# KiCad board MiniCamel_V1.00.kicad_pcb (continued)
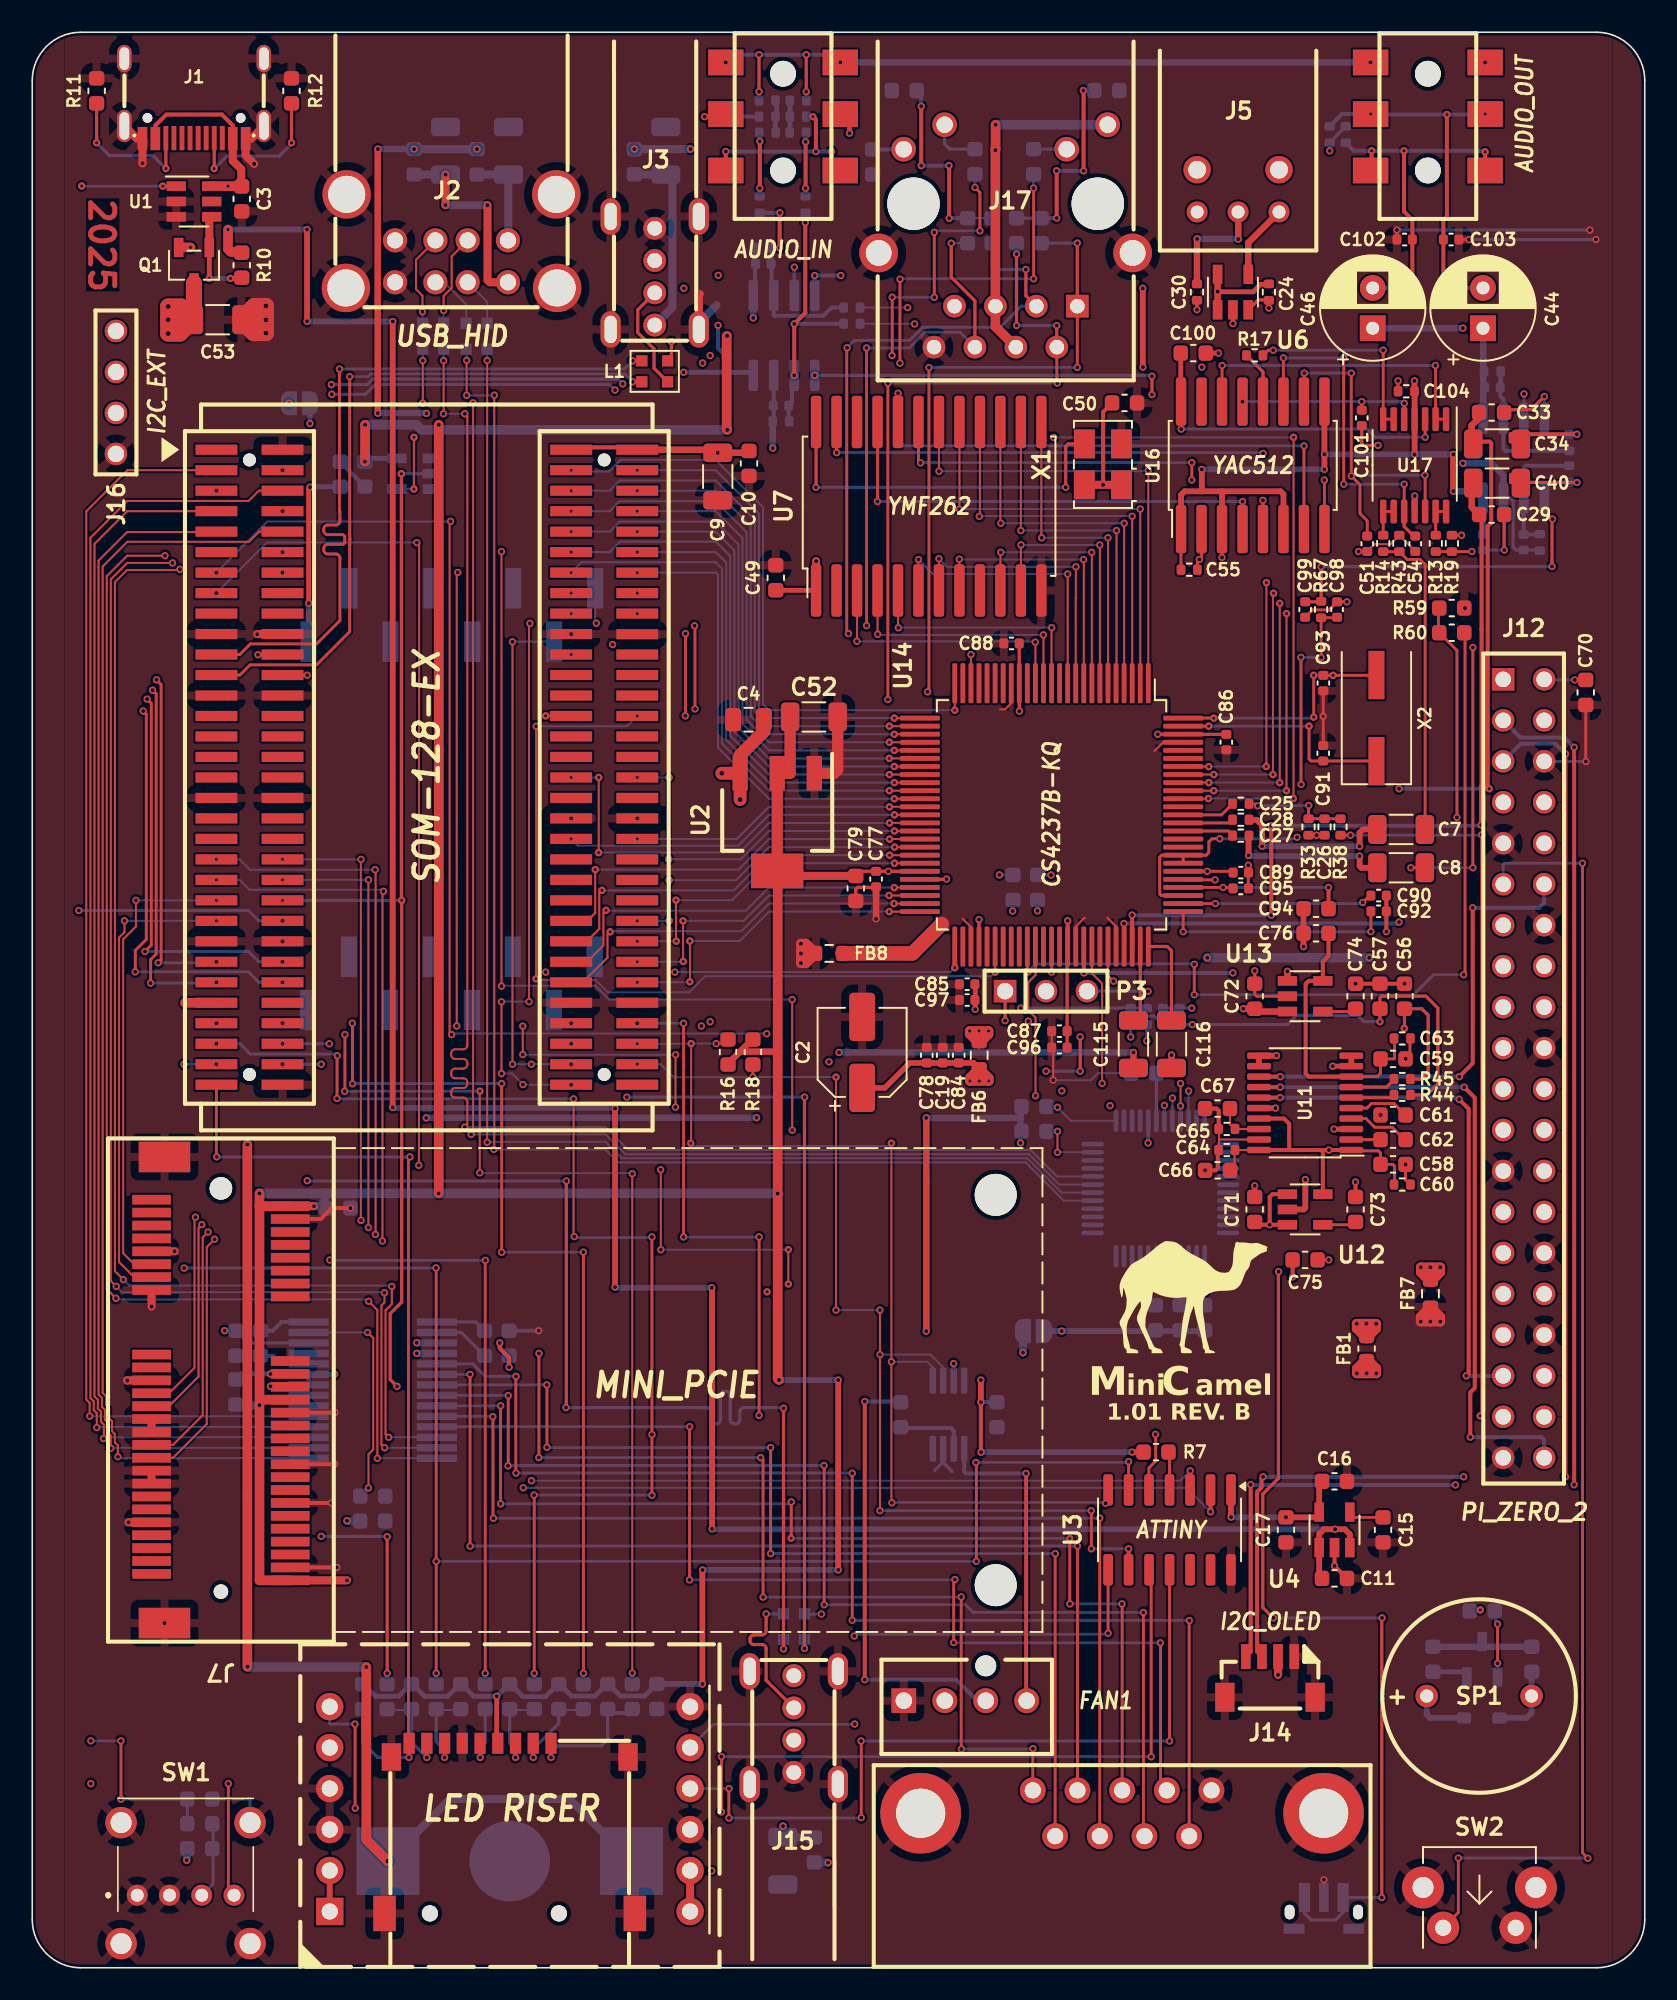
[diagram p0: board, top side]
## Library data of the parts (continued)
U17 = -: LCSC: C96507; ki_fp_filters: SOIC*3.9x8.7mm*P1.27mm* DIP*W7.62mm* TSSOP*4.4x5mm*P0.65mm* SSOP*5.3x6.2mm*P0.65mm* MSOP*3x3mm*P0.5mm*
X1 = -: LCSC: C387230; ki_fp_filters: Oscillator*SMD*SeikoEpson*SG8002LB*5.0x3.2mm*
X2 = -: LCSC: C4944017

## Footprints (pads in the part's own frame, mm; a bottom-side part is the same pattern mirrored in y, then rotated)
BT_MY-1220-03
  rect 3.9x4.2 smd: 1(-7.55,0) 1(7.55,0)
  round 5 smd: 2(0,0)
C_0402_1005Metric
  rrect 0.54x0.64 smd: 1(-0.51,0) 2(0.51,0)
C_0402_1005Metric_no_outline
  rrect 0.56x0.62 smd: 1(-0.48,0) 2(0.48,0)
C_0603_1608Metric
  rrect 0.9x0.95 smd: 1(-0.775,0) 2(0.775,0)
C_0603_1608Metric_no_outline
  rrect 0.9x0.95 smd: 1(-0.775,0) 2(0.775,0)
C_0805_2012Metric
  rrect 1x1.45 smd: 1(-0.95,0) 2(0.95,0)
C_1206_3216Metric
  rrect 1.15x1.8 smd: 1(-1.475,0) 2(1.475,0)
CP_Elec_5x5.4
  rrect 3x1.6 smd: 1(-2.2,0) 2(2.2,0)
CP_Radial_D6.3mm_P2.50mm
  rect 1.6x1.6 hole 0.8: 1(0,0)
  round 1.6 hole 0.8: 2(2.5,0)
D_SOD-323F
  rrect 0.9x0.7 smd: 1(-1.1,0) 2(1.1,0)
F_0603_1608Metric
  rrect 0.9x0.95 smd: 1(-0.775,0) 2(0.775,0)
Fuse_0603_1608Metric_no_outline
  rrect 0.875x0.95 smd: 1(-0.787,0) 2(0.787,0)
J_AUDIO35_C95463
  round 1.6 hole 1.6 unplated: (0,2.5) (0,-3.5)
  rect 2.2x1.6 smd: R(-3.55,0) R(3.55,0) S(-3.55,3.2) S(3.55,3.2) T(-3.55,-3.5) T(3.55,-3.5)
J_CONN_01X04
  round 1.397 hole 1.016: 1(-3.81,0) 2(-1.27,0) 3(1.27,0) 4(3.81,0)
J_CONN_RPI
  rect 1.397x1.397 hole 0.965: 1(-1.27,24.13)
  round 1.397 hole 0.965: 2(1.27,24.13) 3(-1.27,21.59) 4(1.27,21.59) 5(-1.27,19.05) 6(1.27,19.05) 7(-1.27,16.51) 8(1.27,16.51) 9(-1.27,13.97) 10(1.27,13.97) 11(-1.27,11.43) 12(1.27,11.43) 13(-1.27,8.89) 14(1.27,8.89) 15(-1.27,6.35) 16(1.27,6.35) 17(-1.27,3.81) 18(1.27,3.81) 19(-1.27,1.27) 20(1.27,1.27) 21(-1.27,-1.27) 22(1.27,-1.27) 23(-1.27,-3.81) 24(1.27,-3.81) 25(-1.27,-6.35) 26(1.27,-6.35) 27(-1.27,-8.89) 28(1.27,-8.89) 29(-1.27,-11.43) 30(1.27,-11.43) 31(-1.27,-13.97) 32(1.27,-13.97) 33(-1.27,-16.51) 34(1.27,-16.51) 35(-1.27,-19.05) 36(1.27,-19.05) 37(-1.27,-21.59) 38(1.27,-21.59) 39(-1.27,-24.13) 40(1.27,-24.13)
J_JST_BM04B-SRSS-TB
  rect 1.2x1.8 smd: 1(-2.8,0) 1(2.8,0)
  rect 0.6x1.55 smd: 1(-1.5,-2.525) 2(-0.5,-2.525) 3(0.5,-2.525) 4(1.5,-2.525)
J_MINI_PCIE
  round 1.4 hole 1.4 unplated: (0,0)
  round 2.6 hole 2.6 unplated: (0.4,48.05) (24.6,48.05)
  round 0.9 hole 0.9 unplated: (25,0)
  rect 0.6x2.4 smd: 1(0.7,-4.3) 2(1.1,4.3) 3(1.5,-4.3) 4(1.9,4.3) 5(2.3,-4.3) 6(2.7,4.3) 7(3.1,-4.3) 8(3.5,4.3) 9(3.9,-4.3) 10(4.3,4.3) 11(4.7,-4.3) 12(5.1,4.3) 13(5.5,-4.3) 14(5.9,4.3) 15(6.3,-4.3) 16(6.7,4.3) 17(10.3,-4.3) 18(10.7,4.3) 19(11.1,-4.3) 20(11.5,4.3) 21(11.9,-4.3) 22(12.3,4.3) 23(12.7,-4.3) 24(13.1,4.3) 25(13.5,-4.3) 26(13.9,4.3) 27(14.3,-4.3) 28(14.7,4.3) 29(15.1,-4.3) 30(15.5,4.3) 31(15.9,-4.3) 32(16.3,4.3) 33(16.7,-4.3) 34(17.1,4.3) 35(17.5,-4.3) 36(17.9,4.3) 37(18.3,-4.3) 38(18.7,4.3) 39(19.1,-4.3) 40(19.5,4.3) 41(19.9,-4.3) 42(20.3,4.3) 43(20.7,-4.3) 44(21.1,4.3) 45(21.5,-4.3) 46(21.9,4.3) 47(22.3,-4.3) 48(22.7,4.3) 49(23.1,-4.3) 50(23.5,4.3) 51(23.9,-4.3) 52(24.3,4.3)
  rect 1.9x3.2 smd: S1(-1.95,-3.5) S2(26.95,-3.5)
J_MOLEX_47053-1000
  round 1.3 hole 1.3 unplated: (-5.08,-2.16)
  rect 1.53x1.53 hole 1.02: 1(0,0)
  round 1.55 hole 1.02: 2(-2.54,0) 3(-5.08,0) 4(-7.62,0)
J_USB_TYPE-C-31-M-12
  round 0.6 hole 0.6 unplated: (-2.89,-1.07) (2.89,-1.07)
  rect 0.6x1.44 smd: A1/B12(-3.2,0.21) A4/B9(-2.4,0.21) A9/B4(2.4,0.21) A12/B1(3.2,0.21)
  rect 0.3x1.5 smd: A5(-1.25,0.18) A6(-0.25,0.18) A7(0.25,0.18) A8(1.25,0.18) B5(1.75,0.18) B6(0.75,0.18) B7(-0.75,0.18) B8(-1.75,0.18)
  oval 0.9x2 hole 0.6x1.7: S(-4.325,-0.57) S(4.325,-0.57)
  oval 0.9x1.7 hole 0.6x1.4: S(-4.325,-4.75) S(4.325,-4.75)
J_WEMOS_D1_MINI
  rect 1x2.51 smd: 1(8.895,9.79) 2(6.355,13.1) 3(3.815,9.79) 4(1.275,13.1) 5(-1.265,9.79) 6(-3.805,13.1) 7(-6.345,9.79) 8(-8.885,13.1) 9(-8.855,-9.745) 10(-6.315,-13.055) 11(-3.775,-9.745) 12(-1.235,-13.055) 13(1.305,-9.745) 14(3.845,-13.055) 15(6.385,-9.745) 16(8.925,-13.055)
L_EMI_FILTER_MCM2012B900GBE
  rect 0.7x0.7 smd: 1(-0.8,0.65) 2(0.8,0.65) 3(0.8,-0.65) 4(-0.8,-0.65)
MicroSD_TF01A_overhang
  round 1 hole 1 unplated: (-4.95,-3.3) (3.05,-3.3)
  rect 0.7x1.3 smd: 1(2.56,7.25) 2(1.46,7.25) 3(0.36,7.25) 4(-0.74,7.25) 5(-1.84,7.25) 6(-2.94,7.25) 7(-4.04,7.25) 8(-5.14,7.25) 9(-6.24,7.25)
  rect 1.4x2.2 smd: S(-7.76,-3.3) S(7.76,-3.3)
  rect 1.2x1.7 smd: S(-7.34,6.4) S(7.34,6.4)
MiniCamel_Riser
  rect 1.7x1.7 hole 1: 1(-11.175,-9.961)
  oval 1.7x1.7 hole 1: 2(-11.175,-7.421) 3(-11.175,-4.881) 4(-11.175,-2.341) 5(-11.175,0.199) 6(-11.175,2.739) 8(11.175,-7.421) 9(11.175,-4.881) 10(11.175,-2.341) 11(11.175,0.199) 12(11.175,2.739)
  round 1.7 hole 1: 7(11.175,-9.961)
NIC_single_port_TH
  round 3.25 hole 3.25 unplated: (-6.35,0) (5.08,0)
  rect 1.408x1.408 hole 0.9: 1(3.81,-6.35)
  round 1.408 hole 0.9: 2(2.54,-8.89) 3(1.27,-6.35) 4(0,-8.89) 5(-1.27,-6.35) 6(-2.54,-8.89) 7(-3.81,-6.35) 8(-5.08,-8.89)
  round 1.53 hole 1.02: 9(5.69,4.9) 10(3.15,3.38) 11(-4.42,4.9) 12(-6.96,3.38)
  round 2.4 hole 1.6: CASE@1(7.24,-3.05) CASE@2(-8.51,-3.05)
P_CONN_01X03_SQUARE
  rect 1.397x1.397 hole 1.016: 1(-2.54,0)
  round 1.397 hole 1.016: 2(0,0) 3(2.54,0)
P_CONN_SOM-128-EX
  round 0.8 hole 0.8 unplated: (0,-0.635) (0,-38.735) (22,-0.635) (22,-38.735)
  rect 2.6x0.63 smd: A1(-2.05,0) A2(2.05,0) A3(-2.05,-1.27) A4(2.05,-1.27) A5(-2.05,-2.54) A6(2.05,-2.54) A7(-2.05,-3.81) A8(2.05,-3.81) A9(-2.05,-5.08) A10(2.05,-5.08) A11(-2.05,-6.35) A12(2.05,-6.35) A13(-2.05,-7.62) A14(2.05,-7.62) A15(-2.05,-8.89) A16(2.05,-8.89) A17(-2.05,-10.16) A18(2.05,-10.16) A19(-2.05,-11.43) A20(2.05,-11.43) A21(-2.05,-12.7) A22(2.05,-12.7) A23(-2.05,-13.97) A24(2.05,-13.97) A25(-2.05,-15.24) A26(2.05,-15.24) A27(-2.05,-16.51) A28(2.05,-16.51) A29(-2.05,-17.78) A30(2.05,-17.78) A31(-2.05,-19.05) A32(2.05,-19.05) A33(-2.05,-20.32) A34(2.05,-20.32) A35(-2.05,-21.59) A36(2.05,-21.59) A37(-2.05,-22.86) A38(2.05,-22.86) A39(-2.05,-24.13) A40(2.05,-24.13) A41(-2.05,-25.4) A42(2.05,-25.4) A43(-2.05,-26.67) A44(2.05,-26.67) A45(-2.05,-27.94) A46(2.05,-27.94) A47(-2.05,-29.21) A48(2.05,-29.21) A49(-2.05,-30.48) A50(2.05,-30.48) A51(-2.05,-31.75) A52(2.05,-31.75) A53(-2.05,-33.02) A54(2.05,-33.02) A55(-2.05,-34.29) A56(2.05,-34.29) A57(-2.05,-35.56) A58(2.05,-35.56) A59(-2.05,-36.83) A60(2.05,-36.83) A61(-2.05,-38.1) A62(2.05,-38.1) A63(-2.05,-39.37) A64(2.05,-39.37) B1(19.95,0) B2(24.05,0) B3(19.95,-1.27) B4(24.05,-1.27) B5(19.95,-2.54) B6(24.05,-2.54) B7(19.95,-3.81) B8(24.05,-3.81) B9(19.95,-5.08) B10(24.05,-5.08) B11(19.95,-6.35) B12(24.05,-6.35) B13(19.95,-7.62) B14(24.05,-7.62) B15(19.95,-8.89) B16(24.05,-8.89) B17(19.95,-10.16) B18(24.05,-10.16) B19(19.95,-11.43) B20(24.05,-11.44) B21(19.95,-12.7) B22(24.05,-12.7) B23(19.95,-13.97) B24(24.05,-13.97) B25(19.95,-15.24) B26(24.05,-15.24) B27(19.95,-16.51) B28(24.05,-16.51) B29(19.95,-17.78) B30(24.05,-17.78) B31(19.95,-19.05) B32(24.05,-19.05) B33(19.95,-20.32) B34(24.05,-20.32) B35(19.95,-21.59) B36(24.05,-21.59) B37(19.95,-22.86) B38(24.05,-22.86) B39(19.95,-24.13) B40(24.05,-24.13) B41(19.95,-25.4) B42(24.05,-25.4) B43(19.95,-26.67) B44(24.05,-26.67) B45(19.95,-27.94) B46(24.05,-27.94) B47(19.95,-29.21) B48(24.05,-29.21) B49(19.95,-30.48) B50(24.05,-30.48) B51(19.95,-31.75) B52(24.05,-31.75) B53(19.95,-33.02) B54(24.05,-33.02) B55(19.95,-34.29) B56(24.05,-34.29) B57(19.95,-35.56) B58(24.05,-35.56) B59(19.95,-36.83) B60(24.05,-36.83) B61(19.95,-38.1) B62(24.05,-38.1) B63(19.95,-39.37) B64(24.05,-39.37)
P_DE9M
  round 1.6 hole 1: 1(0,0) 2(-2.77,0) 3(-5.54,0) 4(-8.31,0) 5(-11.08,0) 6(-1.385,2.84) 7(-4.155,2.84) 8(-6.925,2.84) 9(-9.695,2.84)
  round 5 hole 3.05: 10(-18.035,1.42) 11(6.955,1.42)
Q_BJT_SOT-23-3
  rect 1.2x0.6 smd: 1(1.1,-0.95) 2(1.1,0.95) 3(-1.1,0)
Q_PFET_ENH_SOT-23-3
  rect 1.2x0.6 smd: 1(1.1,-0.95) 2(-1.1,0) 3(1.1,0.95)
R_0402_1005Metric
  rrect 0.54x0.64 smd: 1(-0.51,0) 2(0.51,0)
R_0402_1005Metric_no_outline
  rrect 0.54x0.64 smd: 1(-0.51,0) 2(0.51,0)
R_0603_1608Metric
  rrect 0.9x0.95 smd: 1(-0.775,0) 2(0.775,0)
R_0603_1608Metric_no_outline
  rrect 0.8x0.95 smd: 1(-0.825,0) 2(0.825,0)
SOIC-14_3.9x8.7mm_P1.27mm
  rrect 1.95x0.6 smd: 1(-2.475,3.81) 2(-2.475,2.54) 3(-2.475,1.27) 4(-2.475,0) 5(-2.475,-1.27) 6(-2.475,-2.54) 7(-2.475,-3.81) 8(2.475,-3.81) 9(2.475,-2.54) 10(2.475,-1.27) 11(2.475,0) 12(2.475,1.27) 13(2.475,2.54) 14(2.475,3.81)
SolderJumper-2_P1.3mm_Open_RoundedPad1.0x1.5mm
  custom 1x1.5 smd: 1(-0.65,0) 2(0.65,0)
SP
  round 1.397 hole 0.813: 1(-3.251,0) 2(3.251,0)
SW-right_angle
  round 2 hole 1: 1(-2.25,-1.25) 2(2.25,-1.25)
  round 2.6 hole 1.3: S1(-3.5,1.25) S2(3.5,1.25)
SW_C2859426
  oval 0.6x0.9 hole 0.6x0.9 unplated: (-2.125,0) (2.125,0)
  rect 0.7x1.8 smd: 1(-1.2,0.9) 1(1.2,0.9)
  rect 0.6x1.8 smd: 2(0,0.9)
  rect 1.3x0.625 smd: S(-1.85,-1.038) S(1.85,-1.038)
TL53EF160Q
  round 1.3 hole 0.8: 1(0,0) 2(2,0) 3(4,0) 4(6,0)
  round 1.95 hole 1.3: MH1(-1,-3) MH2(7,-3) MH3(7,4.5) MH4(-1,4.5)
TOSLINK_ZGY133T10
  round 1.3 hole 0.8: 1(2.54,0) 2(0,0) 3(-2.54,0)
  round 1.7 hole 1.1: 4(2.54,2.62) 5(-2.54,2.62)
TSSOP-20_4.4x6.5mm_P0.65mm
  rrect 1.475x0.4 smd: 1(-2.862,2.925) 2(-2.862,2.275) 3(-2.862,1.625) 4(-2.862,0.975) 5(-2.862,0.325) 6(-2.862,-0.325) 7(-2.862,-0.975) 8(-2.862,-1.625) 9(-2.862,-2.275) 10(-2.862,-2.925) 11(2.862,-2.925) 12(2.862,-2.275) 13(2.862,-1.625) 14(2.862,-0.975) 15(2.862,-0.325) 16(2.862,0.325) 17(2.862,0.975) 18(2.862,1.625) 19(2.862,2.275) 20(2.862,2.925)
U_MSOP-8_3x3mm_P0.65mm
  rrect 1.625x0.4 smd: 1(-2.112,0.975) 2(-2.112,0.325) 3(-2.112,-0.325) 4(-2.112,-0.975) 5(2.112,-0.975) 6(2.112,-0.325) 7(2.112,0.325) 8(2.112,0.975)
U_QFP-12x12_14x14_Pitch0.5mm
  oval 1.4x0.3 smd: 1(-4.2,2.75) 2(-4.2,2.25) 3(-4.2,1.75) 4(-4.2,1.25) 5(-4.2,0.75) 6(-4.2,0.25) 7(-4.2,-0.25) 8(-4.2,-0.75) 9(-4.2,-1.25) 10(-4.2,-1.75) 11(-4.2,-2.25) 12(-4.2,-2.75) 25(4.2,-2.75) 26(4.2,-2.25) 27(4.2,-1.75) 28(4.2,-1.25) 29(4.2,-0.75) 30(4.2,-0.25) 31(4.2,0.25) 32(4.2,0.75) 33(4.2,1.25) 34(4.2,1.75) 35(4.2,2.25) 36(4.2,2.75)
  oval 0.3x1.4 smd: 13(-2.75,-4.2) 14(-2.25,-4.2) 15(-1.75,-4.2) 16(-1.25,-4.2) 17(-0.75,-4.2) 18(-0.25,-4.2) 19(0.25,-4.2) 20(0.75,-4.2) 21(1.25,-4.2) 22(1.75,-4.2) 23(2.25,-4.2) 24(2.75,-4.2) 37(2.75,4.2) 38(2.25,4.2) 39(1.75,4.2) 40(1.25,4.2) 41(0.75,4.2) 42(0.25,4.2) 43(-0.25,4.2) 44(-0.75,4.2) 45(-1.25,4.2) 46(-1.75,4.2) 47(-2.25,4.2) 48(-2.75,4.2)
U_SOIC-8_3.9x4.9mm_P1.27mm
  rrect 1.95x0.6 smd: 1(-2.475,1.905) 2(-2.475,0.635) 3(-2.475,-0.635) 4(-2.475,-1.905) 5(2.475,-1.905) 6(2.475,-0.635) 7(2.475,0.635) 8(2.475,1.905)
U_SOP-16_5.3x10.2mm_P1.27mm
  rrect 3x0.65 smd: 1(-3.95,4.445) 2(-3.95,3.175) 3(-3.95,1.905) 4(-3.95,0.635) 5(-3.95,-0.635) 6(-3.95,-1.905) 7(-3.95,-3.175) 8(-3.95,-4.445) 9(3.95,-4.445) 10(3.95,-3.175) 11(3.95,-1.905) 12(3.95,-0.635) 13(3.95,0.635) 14(3.95,1.905) 15(3.95,3.175) 16(3.95,4.445)
U_SOP-24_8.4x15.5mm_P1.27mm
  rrect 3.25x0.65 smd: 1(-5.225,6.985) 2(-5.225,5.715) 3(-5.225,4.445) 4(-5.225,3.175) 5(-5.225,1.905) 6(-5.225,0.635) 7(-5.225,-0.635) 8(-5.225,-1.905) 9(-5.225,-3.175) 10(-5.225,-4.445) 11(-5.225,-5.715) 12(-5.225,-6.985) 13(5.225,-6.985) 14(5.225,-5.715) 15(5.225,-4.445) 16(5.225,-3.175) 17(5.225,-1.905) 18(5.225,-0.635) 19(5.225,0.635) 20(5.225,1.905) 21(5.225,3.175) 22(5.225,4.445) 23(5.225,5.715) 24(5.225,6.985)
U_SOT-23-5
  rect 1.2x0.6 smd: 1(-1.1,0.95) 2(-1.1,0) 3(-1.1,-0.95) 4(1.1,-0.95) 5(1.1,0.95)
U_SOT-223-3
  rect 2.15x0.95 smd: 1(-2.9,2.3) 2(-2.9,0) 3(-2.9,-2.3)
  rect 2.15x3.25 smd: 2(3.15,0)
U_SSOP-28_5.3x10.2mm_P0.65mm_HandSoldering
  rect 2.5x0.45 smd: 1(-3.975,4.225) 2(-3.975,3.575) 3(-3.975,2.925) 4(-3.975,2.275) 5(-3.975,1.625) 6(-3.975,0.975) 7(-3.975,0.325) 8(-3.975,-0.325) 9(-3.975,-0.975) 10(-3.975,-1.625) 11(-3.975,-2.275) 12(-3.975,-2.925) 13(-3.975,-3.575) 14(-3.975,-4.225) 15(3.975,-4.225) 16(3.975,-3.575) 17(3.975,-2.925) 18(3.975,-2.275) 19(3.975,-1.625) 20(3.975,-0.975) 21(3.975,-0.325) 22(3.975,0.325) 23(3.975,0.975) 24(3.975,1.625) 25(3.975,2.275) 26(3.975,2.925) 27(3.975,3.575) 28(3.975,4.225)
U_TQFP-100_14x14mm_P0.5mm_HandSoldering
  rrect 2.475x0.3 smd: 1(-8.162,6) 2(-8.162,5.5) 3(-8.162,5) 4(-8.162,4.5) 5(-8.162,4) 6(-8.162,3.5) 7(-8.162,3) 8(-8.162,2.5) 9(-8.162,2) 10(-8.162,1.5) 11(-8.162,1) 12(-8.162,0.5) 13(-8.162,0) 14(-8.162,-0.5) 15(-8.162,-1) 16(-8.162,-1.5) 17(-8.162,-2) 18(-8.162,-2.5) 19(-8.162,-3) 20(-8.162,-3.5) 21(-8.162,-4) 22(-8.162,-4.5) 23(-8.162,-5) 24(-8.162,-5.5) 25(-8.162,-6) 51(8.162,-6) 52(8.162,-5.5) 53(8.162,-5) 54(8.162,-4.5) 55(8.162,-4) 56(8.162,-3.5) 57(8.162,-3) 58(8.162,-2.5) 59(8.162,-2) 60(8.162,-1.5) 61(8.162,-1) 62(8.162,-0.5) 63(8.162,0) 64(8.162,0.5) 65(8.162,1) 66(8.162,1.5) 67(8.162,2) 68(8.162,2.5) 69(8.162,3) 70(8.162,3.5) 71(8.162,4) 72(8.162,4.5) 73(8.162,5) 74(8.162,5.5) 75(8.162,6)
  rrect 0.3x2.475 smd: 26(-6,-8.162) 27(-5.5,-8.162) 28(-5,-8.162) 29(-4.5,-8.162) 30(-4,-8.162) 31(-3.5,-8.162) 32(-3,-8.162) 33(-2.5,-8.162) 34(-2,-8.162) 35(-1.5,-8.162) 36(-1,-8.162) 37(-0.5,-8.162) 38(0,-8.162) 39(0.5,-8.162) 40(1,-8.162) 41(1.5,-8.162) 42(2,-8.162) 43(2.5,-8.162) 44(3,-8.162) 45(3.5,-8.162) 46(4,-8.162) 47(4.5,-8.162) 48(5,-8.162) 49(5.5,-8.162) 50(6,-8.162) 76(6,8.162) 77(5.5,8.162) 78(5,8.162) 79(4.5,8.162) 80(4,8.162) 81(3.5,8.162) 82(3,8.162) 83(2.5,8.162) 84(2,8.162) 85(1.5,8.162) 86(1,8.162) 87(0.5,8.162) 88(0,8.162) 89(-0.5,8.162) 90(-1,8.162) 91(-1.5,8.162) 92(-2,8.162) 93(-2.5,8.162) 94(-3,8.162) 95(-3.5,8.162) 96(-4,8.162) 97(-4.5,8.162) 98(-5,8.162) 99(-5.5,8.162) 100(-6,8.162)
U_TSOT-23-6
  rect 1.2x0.6 smd: 1(-1.1,0.95) 2(-1.1,0) 3(-1.1,-0.95) 4(1.1,-0.95) 5(1.1,0) 6(1.1,0.95)
U_TSSOP-14_4.4x5mm_P0.65mm
  rrect 1.475x0.4 smd: 1(-2.862,1.95) 2(-2.862,1.3) 3(-2.862,0.65) 4(-2.862,0) 5(-2.862,-0.65) 6(-2.862,-1.3) 7(-2.862,-1.95) 8(2.862,-1.95) 9(2.862,-1.3) 10(2.862,-0.65) 11(2.862,0) 12(2.862,0.65) 13(2.862,1.3) 14(2.862,1.95)
USB-A_1P_VERTICAL
  round 1.42 hole 0.92: 1(3.325,-0.921) 2(3.325,-2.921) 3(3.325,-4.921) 4(3.325,-6.921)
  oval 1.25x2.25 hole 0.75x1.7: 5(6.06,-0.651) 6(6.06,-7.651) 7(0.59,-0.651) 8(0.59,-7.651)
USB-A_2P_STACKED
  round 1.5 hole 1: 1(-3.5,1.3) 2(-1,1.3) 3(1,1.3) 4(3.5,1.3) 5(-3.5,-1.3) 6(-1,-1.3) 7(1,-1.3) 8(3.5,-1.3)
  round 3 hole 2.3: S(-6.55,1.65) S(-6.5,-4.15) S(6.5,-4.15) S(6.55,1.65)
X_Crystal_SMD_HC49S-MINI
  rect 3x1 smd: 1(-2.67,0) 2(2.67,0)
XO_SMD5032
  rect 1.8x1.3 smd: 1(-1.27,-1.15) 2(1.27,-1.15) 3(1.27,1.15) 4(-1.27,1.15)

## Nets
+3.3V: C22.1 C23.1 C38.1 C48.1 C52.1 C69.1 C77.1 C79.1 C80.1 J7.2 J7.24 J7.52 J13.4 J17.4 J17.5 J17.9 J17.12 R7.2 R16.2 R18.2 R32.2 R53.1 R54.1 R55.1 R56.1 R57.1 R58.1 U2.2 U8.5 U10.3 U14.45
+3.3V_PCM_A: C59.1 C63.1 C76.1 U11.8 U13.5
+3.3V_PCM_D: C58.1 C60.1 C64.1 C66.1 C75.1 U11.1 U11.17 U11.20 U12.5
+3.3VSB: C16.1 C17.2 U3.1 U4.5
+5VA: C41.2 C55.2 C89.2 C104.2 C114.2 FB1.2 U14.81 U15.8 U16.1 U16.3 U16.6 U16.9 U17.4 U18.8
+5VFILT: C85.1 C86.1 C87.1 C88.1 C96.2 C97.2 FB6.2 U14.17 U14.54 U14.65 U14.98
/3.3V_MIDI_OUT: J12.10 R59.1 R60.2
/+1.8V_LAN: P1.A56
/V86_SCL: J16.3 P1.B62 R18.1 U3.9 U10.2
/V86_SDA: J16.4 P1.B60 R16.1 U3.7 U10.1
/VBATT: BT1.1 P1.A55
AGND: C24.1 C26.2 C29.1 C30.2 C33.1 C41.1 C51.2 C54.2 C55.1 C56.1 C57.1 C58.2 C59.2 C60.2 C61.1 C63.2 C64.2 C65.1 C66.2 C67.1 C71.2 C72.2 C73.2 C74.2 C75.2 C76.2 C89.1 C90.1 C92.1 C94.2 C95.2 C98.1 C99.2 C100.1 C101.2 C104.1 C114.1 FB7.2 J5.3 J6.S J10.S P3.2 R19.1 R25.1 R27.1 R33.2 R43.1 R65.2 R66.2 R74.1 R76.1 U6.3 U11.3 U11.9 U11.10 U11.11 U11.12 U11.16 U11.19 U12.2 U13.2 U14.80 U15.4 U16.2 U17.11 U18.4
GND: BT1.2 C2.2 C3.1 C4.2 C5.2 C6.2 C9.2 C10.2 C11.2 C13.2 C14.2 C15.2 C16.2 C17.1 C19.1 C20.2 C22.2 C23.2 C31.2 C32.2 C35.2 C36.2 C37.1 C38.2 C39.1 C45.2 C47.2 C48.2 C49.2 C50.2 C52.2 C53.2 C68.2 C69.2 C70.2 C77.2 C78.1 C79.2 C80.2 C84.1 C85.2 C86.2 C87.2 C88.2 C91.1 C93.1 C96.1 C97.1 C102.2 C103.2 FB7.1 FB8.1 J1.A1/B12 J1.A12/B1 J1.S J2.4 J2.8 J2.S J3.4 J3.5 J3.6 J3.7 J3.8 J7.4 J7.9 J7.15 J7.18 J7.21 J7.26 J7.27 J7.29 J7.34 J7.35 J7.37 J7.40 J7.43 J7.50 J7.S1 J7.S2 J8.5 J8.10 J8.11 J9.3 J9.4 J9.9 J9.12 J11.10 J12.6 J12.9 J12.14 J12.20 J12.25 J12.30 J12.34 J12.39 J13.6 J13.S J14.1 J15.4 J15.5 J15.6 J15.7 J15.8 J16.1 J17.8 J17.CASE@1 J17.CASE@2 P1.A2 P1.A19 P1.A20 P1.A25 P1.A26 P1.A35 P1.A36 P1.A49 P1.A50 P1.A64 P1.B19 P1.B20 P1.B37 P1.B38 P1.B55 P1.B56 P2.1 Q4.2 R11.2 R12.2 R59.2 SW1.1 SW1.2 SW1.MH1 SW1.MH2 SW1.MH3 SW1.MH4 SW2.2 SW2.S1 SW2.S2 SW5.2 U1.2 U1.3 U2.1 U3.14 U4.2 U5.25 U7.12 U8.3 U9.18 U10.4 U10.7 U14.46 X1.2
SGND: FB8.2 U14.18 U14.53 U14.66 U14.71 U14.97
VBUS: C3.2 C11.1 J1.A4/B9 J1.A9/B4 J9.1 J9.2 J9.7 J9.8 Q1.3 R10.2 U1.6 U4.1 U4.3
VCC: C2.1 C4.1 C9.1 C10.1 C14.1 C19.2 C24.2 C30.1 C49.1 C50.1 C53.1 C70.1 C71.1 C72.1 C78.2 C84.2 D4.1 F1.1 F3.1 FB1.1 FB6.1 J5.2 J9.5 J12.2 J12.4 J14.2 J16.2 JP3.1 JP6.1 P1.B1 P1.B2 P2.2 Q1.2 R8.1 SP1.1 U2.3 U5.22 U5.23 U5.26 U6.1 U6.5 U7.1 U12.1 U12.3 U13.1 U13.3 X1.1 X1.4
/_RESET: R7.1 U3.4
/A0: P1.B3 U14.25
/A1: P1.B4 U14.26
/A2: P1.B5 U14.27
/A3: P1.B6 U14.28
/A4: P1.B7 U14.29
/A5: P1.B8 U14.30
/A6: P1.B9 U14.31
/A7: P1.B10 U14.32
/A8: P1.B11 U14.33
/A9: P1.B12 U14.34
/A10: P1.B13 U14.35
/A11: P1.B14 U14.36
/A12: P1.B15 U14.94
/A13: P1.B16 U14.93
/A14: P1.B17 U14.92
/A15: P1.B18 U14.91
/AEN: P1.B33 U14.39
/AUDIO_VREF: C99.1 R67.1 U15.3 U15.5 U18.3 U18.5
/CTS1: P1.A10 U5.15
/D0: P1.B47 U14.41
/D1: P1.B48 U14.42
/D2: P1.B49 U14.43
/D3: P1.B50 U14.44
/D4: P1.B51 U14.47
/D5: P1.B52 U14.48
/D6: P1.B53 U14.49
/D7: P1.B54 U14.50
/DCD1: P1.A3 U5.19
/DRQ1: P1.B27 U14.51
/DSR1: P1.A9 U5.16
/DTR1: P1.A8 U5.12
/FM_A0: U7.4 U14.14
/FM_A1: U7.5 U14.13
/FM_D0: U7.10 U14.8
/FM_D1: U7.11 U14.7
/FM_D2: U7.13 U14.6
/FM_D3: U7.14 U14.5
/FM_D4: U7.15 U14.4
/FM_D5: U7.16 U14.3
/FM_D6: U7.17 U14.2
/FM_D7: U7.18 U14.1
/FM_SYNTH_L: C8.2 C27.2
/FM_SYNTH_R: C7.2 C28.2
/HID_VCC: C37.2 F2.1 F4.1 JP3.2 R39.2 R40.2 R41.2 R42.2 U9.41
/I2S_BCLK: J12.12 U11.13
/I2S_DATA: J12.40 U11.14
/I2S_LRCLK: J12.35 U11.15
/IOCHRDY: P1.B34 U14.40
/IRQ7: P1.B21 U14.23
/JAB1: U9.43 U14.70
/JAB2: U9.44 U14.61
/JACX: U9.45 U14.68
/JACY: U9.46 U14.63
/KBCLK: P1.A12 R41.1 U9.35
/KBDATA: P1.A14 R42.1 U9.37
/LAN_RX+: J17.3 P1.A54 R23.2
/LAN_RX-: J17.6 P1.A52 R22.2
/LAN_TX+: J17.2 P1.A53 R28.2
/LAN_TX-: J17.1 P1.A51 R29.2
/LINE_IN_CS_L: C116.2 U14.75
/LINE_IN_CS_R: C115.2 U14.74
/LINE_IN_L: J10.T R75.1
/LINE_IN_R: J10.R R26.1
/LINE_OUT_CS_L: C29.2 C40.1 U14.73
/LINE_OUT_CS_R: C33.2 C34.1 U14.72
/MIDI_AUDIO_L: C57.2 P3.1 R44.2 R73.1
/MIDI_AUDIO_R: C56.2 P3.3 R24.1 R45.2
/MIDI_IN: U14.59
/MIDI_OUT: R60.1 U14.60
/MSCLK: P1.A13 R39.1 U9.13
/MSDATA: P1.A15 R40.1 U9.14
/PE0_CLK+: J7.13 P1.A47
/PE0_CLK-: J7.11 P1.A45
/PE0_RX+: J7.33 P1.A43
/PE0_RX-: J7.31 P1.A41
/PE0_TX+: J7.25 P1.A44
/PE0_TX-: J7.23 P1.A42
/PI_SCL: J12.5 J14.3
/PI_SDA: J12.3 J14.4
/PWM1: P2.4 U10.5
/PWM_CLICK: J9.11 U3.8
/PWM_GREEN: J9.6 U3.10
/PWM_HDD: U3.12
/PWM_PWR: U3.13
/PWM_RED: J9.10 U3.11
/PWR_SW: SW1.4 U1.1
/RI1: P1.A6 U5.18
/ROM_SW: J12.13
/RS_CTS1: J8.8 U5.8
/RS_DCD1: J8.1 U5.4
/RS_DSR1: J8.6 U5.7
/RS_DTR1: J8.4 U5.11
/RS_RI1: J8.9 U5.5
/RS_RTS1: J8.7 U5.10
/RS_RX1: J8.2 U5.6
/RS_TX1: J8.3 U5.9
/RST_SW: R8.2 R9.2 SW1.3
/RSTDRV: U8.4 U14.90
/RTS1: P1.A5 U5.13
/RX1: P1.A7 U5.17
/RX2: J11.16 P1.B63 U3.2
/SD_CD: J13.9 P1.A63 R53.2
/SD_CLK: P1.A60 R50.2
/SD_CMD: P1.A59 R49.2 U3.5
/SD_DAT0: P1.A61 R51.2 U3.6
/SD_DAT1: P1.A62 R52.2
/SD_DAT2: P1.A57 R47.2
/SD_DAT3: P1.A58 R48.2
/SPDIF_OUT: U6.2 U14.67
/SPKR: P1.B58 R20.1 R38.1
/SYNTH_SW: J12.11 SW2.1
/TACH1: P2.3 R46.1
/TX1: P1.A4 U5.14
/TX2: J11.15 P1.B61 U3.3
/USBD1+: L1.2 P1.A23
/USBD1-: L1.3 P1.A21
/USBD2+: L2.2 P1.A24
/USBD2-: L2.3 P1.A22
/USBHID1+: L3.4 U9.29
/USBHID1-: L3.1 U9.30
/USBHID2+: L4.4 U9.31
/USBHID2-: L4.1 U9.32
/USBHIDX1+: J2.3 L3.3
/USBHIDX1-: J2.2 L3.2
/USBHIDX2+: J2.7 L4.3
/USBHIDX2-: J2.6 L4.2
/X_SD_CLK: J13.5 R50.1
/X_SD_CMD: J13.3 R49.1 R56.2
/X_SD_DAT0: J13.7 R51.1 R55.2
/X_SD_DAT1: J13.8 R52.1 R54.2
/X_SD_DAT2: J13.1 R47.1 R58.2
/X_SD_DAT3: J13.2 R48.1 R57.2
/YAC_CH1: C51.1 U16.10 U17.12
/YAC_CH2: C54.1 U16.11 U17.10
/YAC_CLK: U7.23 U16.5
/YFM_CLK: U7.24 X1.3
/~{BRESET}: U7.3 U14.15
/~{DACK1}: P1.B28 U14.56
/~{DUPLEX}: P1.B57 R34.1
/~{FM_CS}: U7.8 U14.9
/~{FM_RD}: U7.7 U14.10
/~{FM_WR}: U7.6 U14.11
/~{IOR}: P1.B40 U14.37
/~{IOW}: P1.B39 U14.38
/~{LINKACT}: P1.B59 R31.1
/~{PCIRST}: J7.22 P1.A46 U8.2
/~{RST_SW}: C5.1 P1.A48 R9.1
Net-(C7-Pad1): C7.1 R14.1 R43.2
Net-(C8-Pad1): C8.1 R13.1 R19.2
Net-(C25-Pad2): C25.2 C26.1 R33.1 R38.2
Net-(C31-Pad1): C31.1 F1.2 J3.1
Net-(C34-Pad2): C34.2 R61.2
Net-(C35-Pad1): C35.1 F3.2 J15.1
Net-(C40-Pad2): C40.2 R62.2
Net-(C42-Pad2): C42.2 C44.1 R63.1 U15.1
Net-(C43-Pad2): C43.2 C46.1 R64.1 U15.7
Net-(C45-Pad1): C45.1 R22.1 R23.1
Net-(C47-Pad1): C47.1 R28.1 R29.1
Net-(C102-Pad1): C46.2 C102.1 J6.T R66.1
Net-(C103-Pad1): C44.2 C103.1 J6.R R65.1
Net-(C106-Pad1): C106.1 R24.2 R25.2
Net-(C106-Pad2): C106.2 R79.1
Net-(C107-Pad1): C107.1 R26.2 R27.2
Net-(C107-Pad2): C107.2 R80.1
Net-(C110-Pad1): C110.1 R73.2 R74.2
Net-(C110-Pad2): C110.2 R83.1
Net-(C111-Pad1): C111.1 R75.2 R76.2
Net-(C111-Pad2): C111.2 R84.1
Net-(C112-Pad1): C112.1 C115.1 R85.2 U18.1
Net-(C113-Pad2): C113.2 C116.1 R86.2 U18.7
Net-(D4-A): D4.2 R30.2 SP1.2
Net-(J1-CC1): J1.A5 R12.1
Net-(J1-CC2): J1.B5 R11.1
Net-(J2-VBUS1): C32.1 F2.2 J2.1
Net-(J2-VBUS2): C36.1 F4.2 J2.5
Net-(J3-Pad2): J3.2 L1.1
Net-(J3-Pad3): J3.3 L1.4
Net-(J5-VIN): J5.1 U6.4
Net-(J7-~{W_DISABLE}): J7.20 R32.1
Net-(J11-5V): C68.1 J11.9 JP6.2
Net-(J15-Pad2): J15.2 L2.1
Net-(J15-Pad3): J15.3 L2.4
Net-(J17-D2): J17.10 R34.2
Net-(J17-D4): J17.11 R31.2
Net-(Q1-G): Q1.1 R10.1 U1.4
Net-(Q4-B): Q4.1 R20.2
Net-(Q4-C): C20.1 Q4.3 R30.1
Net-(SW5-A): SW5.1 U9.16
Net-(U4-BYP): C15.1 U4.4
Net-(U5-C1+): C12.1 U5.28
Net-(U5-C1-): C12.2 U5.24
Net-(U5-C2+): C18.1 U5.1
Net-(U5-C2-): C18.2 U5.2
Net-(U5-V+): C13.1 U5.27
Net-(U5-V-): C6.1 U5.3
Net-(U9-VDD33): C39.2 U9.42
Net-(U10-TACH): R46.2 U10.6
Net-(U11-CAPM): C62.2 U11.4
Net-(U11-CAPP): C62.1 U11.2
Net-(U11-LDOO): C65.2 C67.2 U11.18
Net-(U11-OUTL): R44.1 U11.6
Net-(U11-OUTR): R45.1 U11.7
Net-(U11-VNEG): C61.2 U11.5
Net-(U12-BYP): C73.1 U12.4
Net-(U13-BYP): C74.1 U13.4
Net-(U14-LFILT): C90.2 U14.77
Net-(U14-LLINE): C28.1 U14.87
Net-(U14-LMIC): C98.2 R67.2 U14.78 U14.82 U14.83
Net-(U14-MIN): C25.1 U14.88
Net-(U14-REFFLT): C94.1 C95.1 U14.79
Net-(U14-RFILT): C92.2 U14.76
Net-(U14-RLINE): C27.1 U14.86
Net-(U14-XTALI): C93.2 U14.100 X2.2
Net-(U14-XTALO): C91.2 U14.99 X2.1
Net-(U15A--): C42.1 R61.1 R63.2 U15.2
Net-(U15B--): C43.1 R62.1 R64.2 U15.6
Net-(U16-AOUT): C101.1 U16.13 U17.5
Net-(U16-CV): C100.2 U16.16 U17.3
Net-(U16-DIN): U7.21 U16.4
Net-(U16-MP): U16.14 U17.1 U17.2
Net-(U16-SMP1): U7.19 U16.8
Net-(U16-SMP2): U7.20 U16.7
Net-(U16-SWIN): R17.2 U16.12
Net-(U17B--): R17.1 U17.6 U17.7
Net-(U17C--): R14.2 U17.8 U17.9
Net-(U17D--): R13.2 U17.13 U17.14
Net-(U18A--): C112.2 R79.2 R80.2 R85.1 U18.2
Net-(U18B--): C113.1 R83.2 R84.2 R86.1 U18.6

Pads without a net: J1 A6 A7 A8 B6 B7 B8; J5 4 5; J7 1 3 5 6 7 8 10 12 14 16 17 19 28 30 32 36 38 39 41 42 44 45 46 47 48 49 51; J11 1 2 3 4 5 6 7 8 11 12 13 14; J12 1 7 8 15 16 17 18 19 21 22 23 24 26 27 28 29 31 32 33 36 37 38; J17 7; P1 A1 A11 A16 A17 A18 A27 A28 A29 A30 A31 A32 A33 A34 A37 A38 A39 A40 B22 B23 B24 B25 B26 B29 B30 B31 B32 B35 B36 B41 B42 B43 B44 B45 B46 B64; SW5 S; U1 5; U5 20 21; U7 2 9 22; U8 1; U9 1 2 3 4 5 6 7 8 9 10 11 12 15 17 19 20 21 22 23 24 25 26 27 28 33 34 36 38 39 40 47 48; U10 8; U14 12 16 19 20 21 22 24 52 55 57 58 62 64 69 84 85 89 95 96; U16 15

## Via types
v1: diameter 0.45, hole 0.25, Top to Bottom, 688 vias
v2: diameter 0.46, hole 0.2, Top to Bottom, 137 vias
v3: diameter 0.45, hole 0.2, Top to Bottom, 9 vias
v4: diameter 0.6, hole 0.3, Top to Bottom, 9 vias

## Routing (per net, layer and track width the routed paths; a pad name or vN(x,y) marks a point on that pad's centre or on a via; arc(x,y) is an arc through that point)
+3.3V: length 342.2
  Top w0.127: J13.4 28.81,13.98
  Top w0.18: 43.15,55.95 43.15,56.06
  Top w0.2: C79.1 51.36,67.98 C77.1 v1(53.09,67.98) U14.45
  Top w0.25: v1(58.83,35.06) 58.83,31.97 v1(58.84,31.96)
  Top w0.3: 28.81,13.98 v1(28.81,16.83)
  Top w0.36: 68.86,31.97 v1(68.21,31.97) ; v1(49.98,36.44) v1(49.98,24.67) ; v1(41.57,24.66) 41.56,24.65 v1(41.56,17.59) ; v1(58.83,36.44) v1(58.83,35.06)
  Top w0.4: 43.89,56.8 44.69,57.6 ; 43.89,56.8 46.23,56.8 ; 43.89,56.8 43.15,56.06
  Top w0.5: v1(19.52,24.02) J7.52 ; v1(17.48,47.22) J7.2 ; C79.1 47.05,67.69 46.47,68.27
  Top w0.6: 14.09,47.23 14.1,47.22 J7.2 ; 14.09,47.23 v1(14.09,34.88) 14.09,24.02 J7.52 ; 14.09,47.23 v1(14.09,48.01) ; U2.2 46.23,67.98 v1(46.23,48) 46.23,36.52 v1(46.31,36.44) ; 14.12,35.22 J7.24 ; v1(59.74,114.27) 59.74,112.78 59.73,112.77 v1(59.73,112.69) J17.5 59.73,101.75 J17.4 ; v1(43.09,101.18) 43.06,101.15 43.06,95.38 v1(43.1,95.35) ; v1(20.63,93.38) 20.64,93.39 v1(20.64,95.67) ; 25.21,48.02 v1(25.21,95.67)
  Top w0.7: C52.1 47,74.06 U2.2 U2.2
  In1.Cu w0.127: 57.14,36.45 57.13,36.44
  In1.Cu w0.25: v1(57.14,37.46) 57.14,36.45
  In1.Cu w0.36: v1(58.83,36.44) v1(49.98,36.44)
  In1.Cu w0.6: v1(43.09,101.18) 54.98,101.18 55.69,101.89 58.6,101.89 J17.5 ; v1(59.73,112.69) 54.1,112.69
  In2.Cu w0.5: v1(19.52,24.02) 19.52,27.69
  Bottom w0.127: 54.02,112.73 J17.12 ; 19.53,27.7 v1(19.52,27.71) ; 14.08,34.87 v1(14.09,34.88) ; 57.14,37.45 v1(57.14,37.46)
  Bottom w0.25: U10.3 57.14,37.45 ; C48.1 v1(58.83,35.06) ; C80.1 54.02,112.73
  Bottom w0.3: C69.1 37.98,16.85 36.48,16.85 35.69,17.64 34.89,16.84 33.45,16.84 32.65,17.63 31.83,16.81 30.44,16.81 29.61,17.63 v1(28.81,16.83) 27.38,16.83 26.57,17.63 25.77,16.83 24.34,16.83 23.53,17.63 22.73,16.83 21.29,16.83 20.48,17.63 ; U8.5 20.83,93.58 v1(20.63,93.38)
  Bottom w0.36: C69.1 41.56,17.59 v1(41.56,17.59) ; v1(46.31,36.44) 46.31,36.44 v1(49.98,36.44) ; v1(58.84,31.96) 58.85,31.97 v1(68.21,31.97) ; v1(49.98,24.67) 41.58,24.67 v1(41.57,24.66)
  Bottom w0.5: 18.14,48.01 18.13,48 18.13,47.17 18.19,47.11 18.08,47.22 v1(17.48,47.22) ; C23.1 19.53,27.7 ; 12.63,34.87 14.08,34.87
  Bottom w0.6: v1(20.64,95.67) 23.82,95.67 24.14,95.35 v1(43.1,95.35) ; v1(14.09,48.01) v1(25.2,48.01) 46.22,48.01 v1(46.23,48) ; 54.1,112.69 J17.12 ; v1(59.74,114.27) J17.9
+3.3V_PCM_A: length 17.9
  Top w0.127: 79.71,61.18 U13.5
  Top w0.18: 84.48,57.62 84.48,56.39 84.44,56.35 C59.1 83.61,55.45 83.41,55.25 U11.8
  Top w0.25: U11.8 79.17,55.25 78.97,55.45 78.97,61 79.16,61.18 U13.5 80.04,62.39 80.39,62.74 C76.1
+3.3V_PCM_D: length 27.4
  Top w0.127: C66.1 74.56,49.71 74.56,50.7 U11.20 ; U11.1 82.09,50.7
  Top w0.18: v1(80.4,43.89) 80.4,43.89 C75.1 ; U11.1 81.85,50.65 83.48,50.65 83.61,50.51 C58.1 84.37,49.81 84.48,49.7 84.48,48.56
  Top w0.25: 77.95,50.7 77.95,52.33 77.63,52.65 U11.17 ; 77.95,50.7 U11.20 ; 77.95,50.7 80.04,50.7 ; 80.04,50.7 v1(80.41,50.7) U11.1 ; 80.04,50.7 U12.5
  In2.Cu w0.18: v1(80.4,43.89) 80.4,50.69 v1(80.41,50.7)
+3.3VSB: length 9.5
  Top w0.127: 79.8,27.92 79.81,27.94 U4.5 ; 79.81,29.98 C16.1
  Top w0.36: v1(74.34,27.94) U3.1 ; U4.5 79.81,29.98 ; v1(77.75,27.92) 79.8,27.92
  Bottom w0.36: v1(77.75,27.92) 74.36,27.92 v1(74.34,27.94)
+5VA: length 168.6
  Top w0.18: v1(73.78,87.44) 73.78,89.19 U16.3 ; C55.2 71.24,89.19 ; v1(80.13,92.9) 80.14,92.9 ; 74.28,67.98 v1(72.87,67.98) U14.81
  Top w0.36: v1(68.88,99.24) 68.87,99.25 v1(68.87,104.13) ; U16.9 v1(80.14,93.84) 80.14,92.9 ; 73.78,91.54 77.42,91.54 77.59,91.36 U16.6 ; 73.78,91.54 72.53,91.54 ; 73.78,91.54 73.78,91.31 73.78,91.3 U16.3 ; v1(85.72,98.39) C104.2 85.73,97.73 U17.4 v1(85.73,93.83) ; v1(72.53,92.9) 72.53,91.54 ; 72.53,91.54 71.46,91.54 71.25,91.32 71.25,89.2 71.24,89.19 ; 40.41,98.93 v1(40.39,98.92)
  Top w0.4: v1(88.13,91.55) v1(88.13,93.83)
  Top w0.6: 82.74,39.02 83.34,39.62 v1(83.34,39.93) v1(82.14,39.93) 82.14,39.62 82.74,39.02 ; 82.74,39.02 v1(82.74,39.93)
  In1.Cu w0.36: v1(68.88,99.24) v1(72.53,99.24) ; v1(40.41,104.13) v1(68.87,104.13) 68.88,104.14
  In2.Cu w0.18: v1(72.87,62.62) 72.87,67.98 v1(72.87,67.98) 72.87,71.34 74.12,72.59 74.12,87.1 v1(73.78,87.44)
  In2.Cu w0.36: v1(40.41,104.13) 40.41,98.93 ; v1(72.53,99.24) v1(72.53,92.9)
  In2.Cu w0.6: v1(82.74,39.93) 82.91,40.1 v1(82.91,62.62)
  Bottom w0.127: 44.53,98.92 U18.8
  Bottom w0.3: v1(40.39,98.92) 40.39,98.92 C114.2 44.53,98.92
  Bottom w0.36: v1(85.73,93.83) 80.14,93.83 v1(80.14,93.84) ; v1(80.13,92.9) v1(72.53,92.9)
  Bottom w0.4: v1(88.13,93.83) v1(85.73,93.83) ; v1(88.13,91.55) 89.96,91.55 U15.8 89.97,91.11 C41.2
  Bottom w0.6: v1(72.87,62.62) v1(82.91,62.62)
+5VFILT: length 29.2
  Top w0.127: 61.21,79.64 U14.17 ; 64.2,63.3 U14.65 ; 64.21,64.92 v1(64.21,64.92) ; 61.21,77.92 v1(61.22,77.91) ; 71.39,76.47 U14.98
  Top w0.2: U14.98 v1(69.8,76.48) ; U14.54 58.71,64.99 v1(58.71,64.99) ; C86.1 71.39,76.47 ; 58.72,58.08 v2(58.72,58.08) ; C96.2 64.18,63.28 64.2,63.3 ; U14.17 61.21,77.92 ; C88.1 61.21,79.64
  Top w0.25: U14.65 64.21,64.92
  Top w0.3: v1(58.48,59.42) 58.48,60.96 C85.1
  Top w0.35: 58.73,57.3 58.73,58.07 v2(58.72,58.08)
  Top w0.6: 58.14,57.9 58.73,57.3 59.3,57.88 v2(59.3,58.08) v2(58.14,58.08) 58.14,57.9
  In2.Cu w0.3: v1(58.48,59.42) 58.48,64.76 v1(58.71,64.99)
/3.3V_MIDI_OUT: length 19.5
  Top w0.18: 87.2,84.3 87.2,82.82 88.35,81.67 v1(88.35,71.32)
  In1.Cu w0.18: v1(88.35,71.32) 92.16,71.32 J12.10
/V86_SCL: length 141.5
  Top w0.127: v1(52.57,28.34) v1(52.57,38.02) v1(52.57,40.77) ; v2(49.85,55.22) v1(49.85,40.77) ; 65.68,28.33 v1(65.67,28.34)
  Top w0.18: v1(44.69,55.22) 44.69,55.95 ; v1(65.68,25.98) 65.68,28.33
  Top w0.25: v1(67.99,25.98) U3.9
  In1.Cu w0.2: v1(18.58,97.56) 18.45,97.68 18.35,97.68 18.2,97.83 6.3,97.83 J16.3
  In2.Cu w0.2: v1(36.14,97.82) 36.14,96.67 36.71,96.1 36.71,57.63 37,57.34 37,56.54 v2(37.52,56.02)
  Bottom w0.127: v2(49.85,55.22) v1(44.69,55.22) ; 44.68,55.21 39.78,55.21 38.97,56.02 v2(37.52,56.02) ; U10.2 56.5,37.22 55.7,38.02 v1(52.57,38.02) ; v1(49.85,40.77) v1(52.57,40.77)
  Bottom w0.18: v1(44.69,55.22) 44.68,55.21 ; v1(65.67,28.34) v1(52.57,28.34) ; v1(65.68,25.98) v1(67.99,25.98)
  Bottom w0.2: v1(36.14,97.82) 35.79,98.17 21.28,98.17 20.67,97.56 v1(18.58,97.56)
/V86_SDA: length 139.7
  Top w0.127: 43.15,57.6 42.85,57.3 v1(42.42,57.3) ; v2(40.86,57.3) 40.86,57.3 40.86,51.14 v2(40.84,51.12) ; v1(53.31,28.83) 53.28,28.86 v2(53.28,51.12)
  Top w0.25: U3.7 66.72,28.96 v1(66.56,28.8)
  In1.Cu w0.2: J16.4 6.2,100.47 6.2,99.15 7.19,98.16 v1(18.55,98.16)
  In2.Cu w0.2: v2(37.52,57.29) 37.04,57.77 37.04,96.23 36.62,96.65 v1(36.62,98.2)
  Bottom w0.127: v1(42.42,57.3) v2(40.86,57.3) 40.85,57.29 v2(37.52,57.29) ; v2(40.84,51.12) 41,50.95 53.11,50.95 v2(53.28,51.12) ; U10.1 55.84,37.23 55.51,37.57 v1(53.28,37.57)
  Bottom w0.18: v1(66.56,28.8) 66.51,28.85 53.33,28.85 v1(53.31,28.83)
  Bottom w0.2: v1(18.55,98.16) 20.78,98.16 21.12,98.5 36.32,98.5 v1(36.62,98.2)
/VBATT: length 83
  Top w0.6: v4(22.06,6.61) 20.72,7.95 v1(20.72,18.65) ; v1(13.34,18.67) v1(13.34,51.04) ; v1(9.47,59.83) P1.A55
  In2.Cu w0.6: v1(9.47,59.83) 10.39,58.91 10.39,53.99 v1(13.34,51.04)
  Bottom w0.5: v4(22.06,6.61) 25.91,10.46 33.31,10.46 BT1.1
  Bottom w0.6: v1(13.34,18.67) 13.36,18.65 v1(20.72,18.65)
